# KiCad board vme-wren.kicad_pcb (continued)
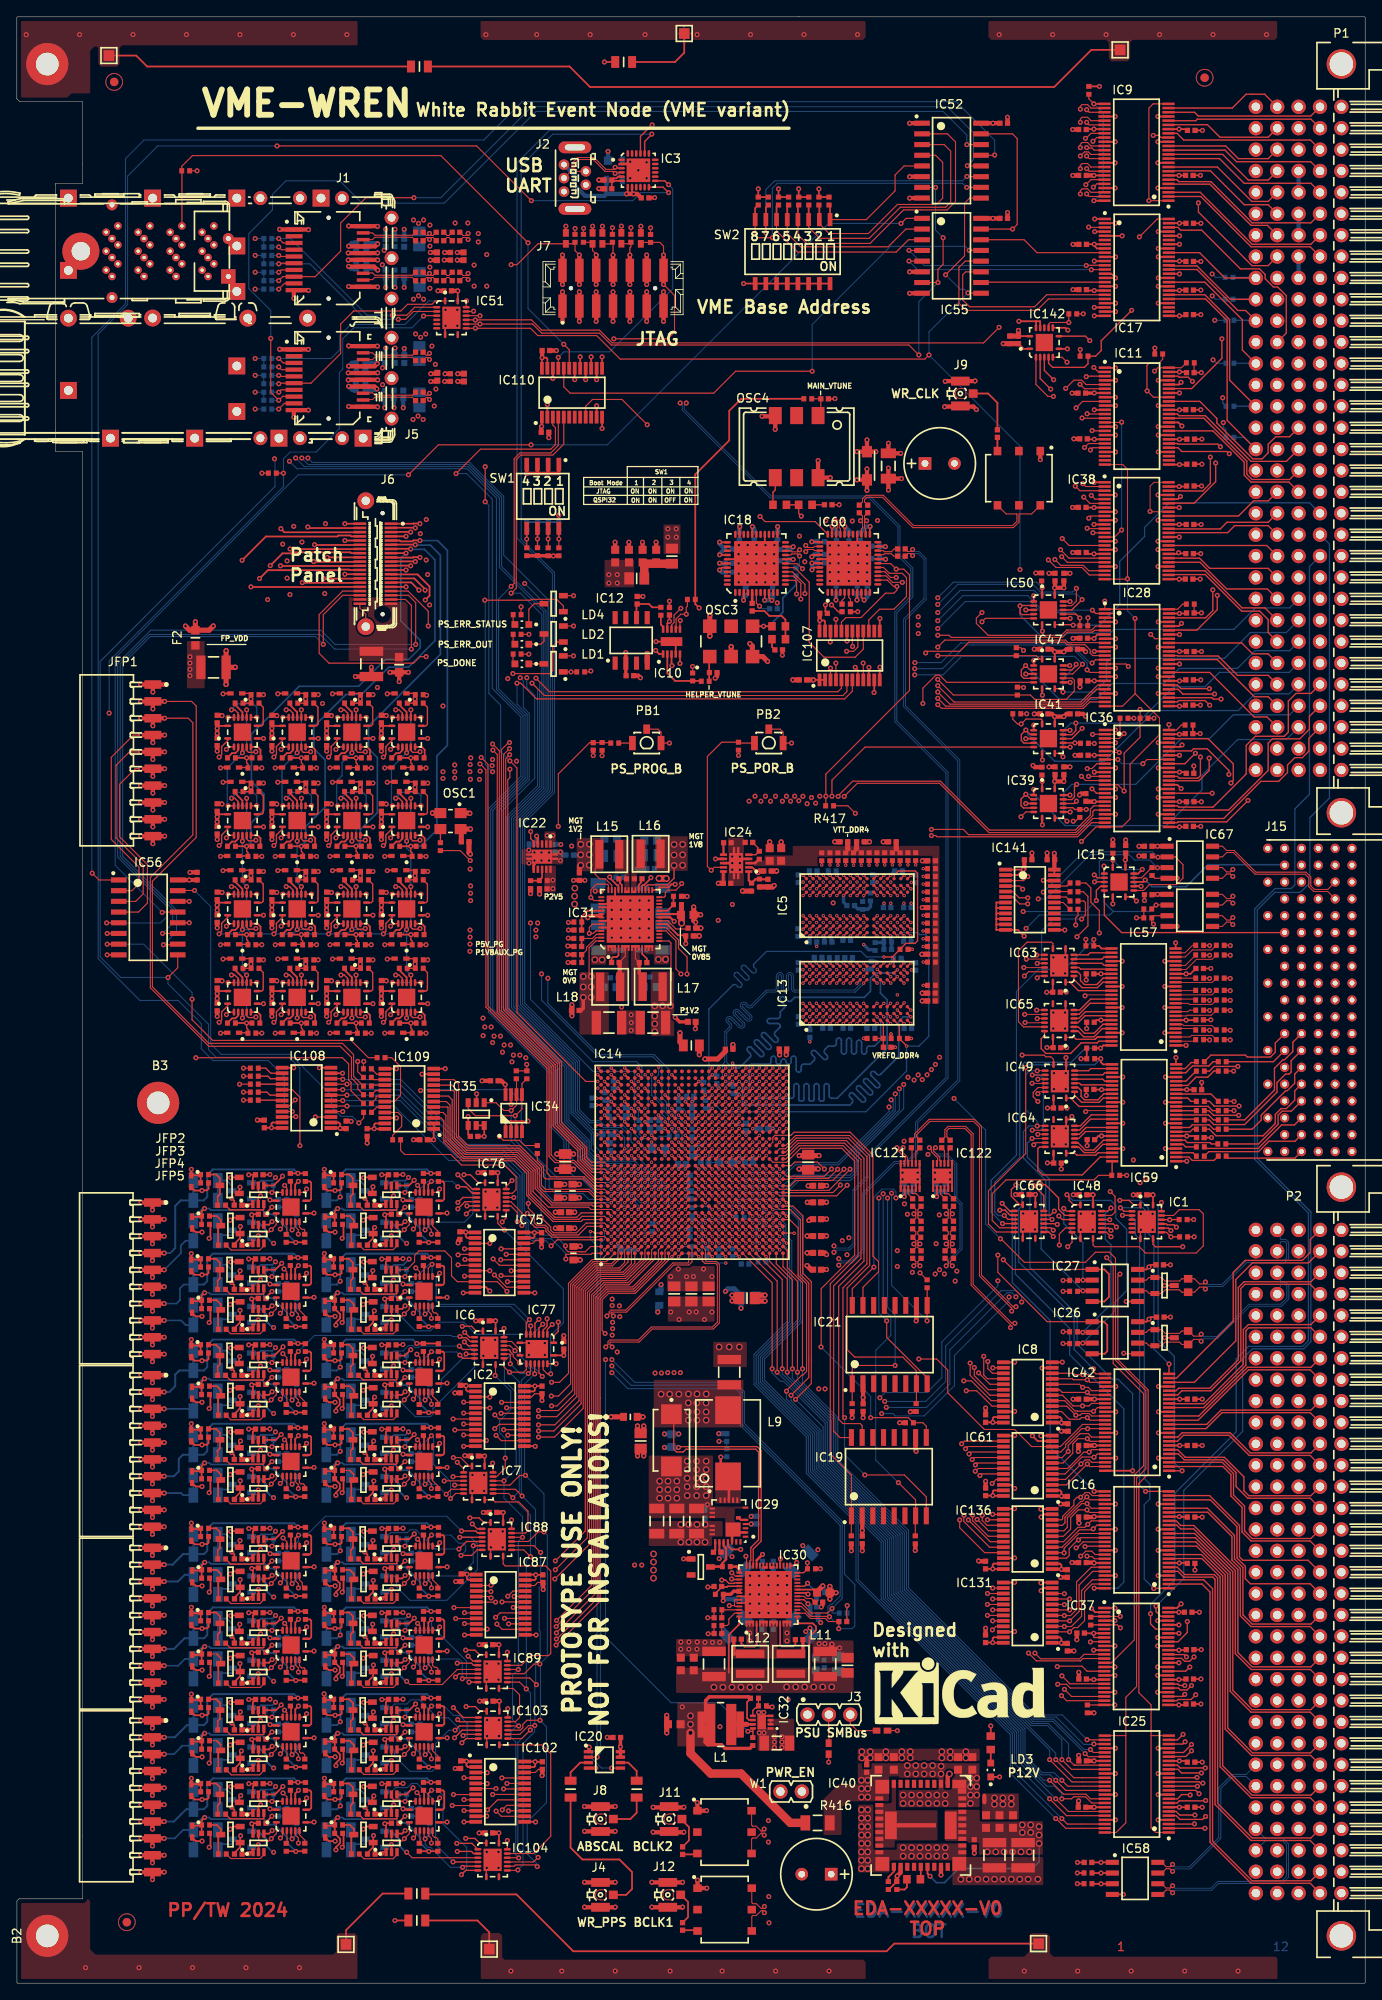
[diagram p0: board, top side]
## Routing (per net, layer and track width the routed paths; a pad name or vN(x,y) marks a point on that pad's centre or on a via; arc(x,y) is an arc through that point) (continued)
Net-(IC31-BOOT_B): length 1.5
  Top Layer w0.2: C298.2 74.13,131.02 74.13,130.68 73.85,130.41 IC31.33
Net-(IC31-BOOT_C): length 2
  Top Layer w0.2: C299.2 74.82,121.65 74.25,122.22 IC31.11
Net-(IC31-BOOT_D): length 2.3
  Top Layer w0.2: IC31.4 71.45,122.04 71.25,121.84 70.81,121.84 70.63,121.67 C300.2
Net-(IC31-FB__L): length 3
  Top Layer w0.2: R215.1 77.98,128.06 R214.1 77.28,127.34 IC31.24
Net-(IC31-MTP): length 3.5
  Top Layer w0.125: IC31.54 68.86,124.54 68.36,124.04 R217.2
  Top Layer w0.2: R217.2 67.07,124.02 C295.2
Net-(IC31-VDRV): length 4.2
  Top Layer w0.2: IC31.47 67.78,127.34 67.07,126.63 C288.1
Net-(IC32-FB): length 2.4
  Top Layer w0.15: IC32.5 87.41,32.38 87.72,32.69 87.87,32.69 88.08,32.9 R211.2 ; 88.04,33.75 88.06,33.73 88.06,32.92
Net-(IC32-SW): length 2.6
  Top Layer w0.3: IC32.7 86.71,30.74
  Top Layer w0.5: 85.87,30.73 84.84,30.73
  Top Layer w0.6: 86.71,30.73 85.87,30.73
Net-(IC33-A): length 5.2
  Top Layer w0.125: R47.2 41.2,87.09 44.68,87.09 45.14,87.55 IC33.3
Net-(IC40-PH-Pad10): length 1.2
  Top Layer w0.2: IC40.42 104.98,18.74
Net-(IC40-RT/CLK): length 2
  Top Layer w0.2: IC40.22 104.15,13.24 103.5,12.59 R100.2
Net-(IC40-VADJ): length 1.5
  Top Layer w0.2: IC40.26 107.35,12.39 R181.2
Net-(IC43-A): length 5.5
  Top Layer w0.15: IC43.3 45.13,91.88 45.05,91.8 43.3,91.8 43.25,91.76 41.19,91.76 R45.2
Net-(IC44-1Y): length 1.5
  Top Layer w0.1: IC44.3 32.06,88.97 R50.1
Net-(IC44-2Y): length 1.9
  Top Layer w0.125: R123.1 34.19,89.43 34.12,89.51 33.83,89.51 33.56,89.78 IC44.6
Net-(IC44-3Y): length 3.4
  Top Layer w0.2: IC44.8 34.76,92.9 34.95,93.09 34.95,95.04 34.81,95.19 R129.1
Net-(IC44-4Y): length 1.3
  Top Layer w0.2: IC44.11 32.56,95.13 R130.1
Net-(IC45-A): length 5.2
  Top Layer w0.125: R139.2 25.45,87.04 28.83,87.04 29.34,87.55 IC45.3
Net-(IC46-A): length 5.4
  Top Layer w0.15: IC46.3 29.33,91.88 29.25,91.81 25.34,91.81 R138.2
Net-(IC48-SER): length 149
  Top Layer w0.125: IC48.14 130.03,91.16 130.43,91.56 130.43,93.42 v2(129.85,93.99) ; R456.2 26.46,106.74 v2(26.45,106.73)
  L3 w0.125: v2(129.85,93.99) 128.75,92.89 123.55,92.89 121.56,90.9 120.16,90.9 116.02,86.75 116.02,83.88 v2(116.5,83.39)
  L5 w0.125: v2(26.45,106.73) 27.47,106.73 28.01,106.19 28.01,102.35 32.17,98.19 53.36,98.19 54.26,97.29 54.26,95.49 55.16,94.59 55.16,91.48 67.21,79.43 67.21,74.99 70.86,71.34 83.56,71.34 86.69,68.21 95.65,68.21 96.33,68.89 101.87,68.89 v2(102.49,69.51)
  Bottom Layer w0.125: v2(102.49,69.51) 103.12,70.14 108.1,70.14 109.85,71.89 109.85,76.14 116.5,82.79 v2(116.5,83.39)
Net-(IC51-SER): length 142.7
  Top Layer w0.125: v2(54.24,198.52) 54.21,198.49 IC51.14 ; R463.2 39.69,105.93 39.69,106.94 39.41,107.23 39.41,109.14 38.67,109.88 v2(21.26,109.88)
  L10 w0.125: v2(21.26,109.88) 21.3,109.91 21.3,118.71 12.76,127.25 12.76,165.92 24.8,177.95 24.8,182.13 28.76,186.1 31.06,186.1 38.49,193.53 38.49,194.6 42.46,198.57 49.8,198.57 50.16,198.2 53.92,198.2 v2(54.24,198.52)
Net-(IC52-QH): length 201.3
  Top Layer w0.125: v2(8.95,131.79) 9.76,130.98 IC56.1 ; IC52.13 116.09,217.03 v2(116.13,217.06)
  Bottom Layer w0.125: v2(8.95,131.79) 8.9,131.84 8.9,195.4 12.9,199.4 12.9,216.64 15.1,218.84 55.45,218.84 60,223.39 111.55,223.39 116.13,218.81 v2(116.13,217.06)
Net-(IC53-1Y): length 1.5
  Top Layer w0.1: 32.06,78.97 R142.1
  Top Layer w0.125: IC53.3 32.06,78.97
Net-(IC53-2Y): length 1.7
  Top Layer w0.125: R143.1 34.19,79.27 33.56,79.91 IC53.6
Net-(IC53-3Y): length 3.4
  Top Layer w0.2: IC53.8 34.76,82.9 34.95,83.09 34.95,85.04 34.81,85.19 R144.1
Net-(IC53-4Y): length 1.3
  Top Layer w0.2: IC53.11 32.56,85.13 R145.1
Net-(IC54-A): length 5.2
  Top Layer w0.125: R153.2 25.38,77.11 28.9,77.11 29.34,77.55 IC54.3
Net-(IC55-SER): length 151.8
  Top Layer w0.125: v2(17.26,127.14) 17.3,127.17 IC56.13 ; v2(46.51,179.09) 50.06,182.65 v2(61.07,182.65) ; v2(105,208.94) 105.6,209.54 IC55.1
  Bottom Layer w0.125: v2(46.51,179.09) 33.42,179.09 11.68,157.35 11.68,132.71 v2(17.26,127.14) ; v2(105,208.94) 96.4,208.94 70.11,182.65 v2(61.07,182.65)
Net-(IC59-1B1): length 5.4
  Top Layer w0.15: R241.1 142.18,97.68 139.6,97.68 139.19,98.09 IC59.2
Net-(IC59-1B2): length 2.6
  Top Layer w0.15: R242.1 139.69,98.59 IC59.3
Net-(IC59-1B3): length 2.5
  Top Layer w0.15: IC59.5 138.5,99.59 138.8,99.29 R243.1
Net-(IC59-1B4): length 5.1
  Top Layer w0.15: IC59.6 138.73,100.09 139.02,99.8 141.71,99.8 141.87,99.64 R244.1
Net-(IC59-1B5): length 2.5
  Top Layer w0.15: R245.1 139.66,101.39 139.35,101.09 IC59.8
Net-(IC59-1B6): length 5.3
  Top Layer w0.15: IC59.9 139.28,101.59 139.6,101.9 141.61,101.9 142.12,101.39 R246.1
Net-(IC59-1B7): length 2.4
  Top Layer w0.15: R247.1 139.99,102.59 IC59.11
Net-(IC59-1B8): length 5.3
  Top Layer w0.15: IC59.12 137.69,103.08 141.51,103.08 142.1,102.49 R248.1
Net-(IC59-2B1): length 2.4
  Top Layer w0.15: R116.1 140.08,103.59 IC59.13
Net-(IC59-2B2): length 5.2
  Top Layer w0.15: R249.1 142,103.59 141.49,104.1 137.69,104.1 IC59.14
Net-(IC59-2B3): length 2.6
  Top Layer w0.15: IC59.16 139.06,105.09 139.45,104.69 R250.1
Net-(IC59-2B4): length 5.4
  Top Layer w0.15: R252.1 141.82,105.57 137.7,105.57 IC59.17
Net-(IC59-2B5): length 5.6
  Top Layer w0.15: 142.61,108.3 142.16,108.3 141.43,107.57 140.03,107.57 139.06,106.59 IC59.19
Net-(IC59-2B6): length 2.8
  Top Layer w0.15: 140.03,108.29 138.84,107.09 IC59.20
Net-(IC59-2B7): length 5.5
  Top Layer w0.15: IC59.22 138.81,108.09 139.62,108.9 141.56,108.9 142.07,109.41 142.63,109.41
Net-(IC59-2B8): length 2.6
  Top Layer w0.15: 140.01,109.31 139.47,109.31 138.75,108.59 137.68,108.59 IC59.23
Net-(IC60-XA): length 1.5
  Top Layer w0.125: C59.2 98,164.19 98.3,164.49 IC60.5
Net-(IC60-XB): length 1.5
  Top Layer w0.125: IC60.6 98.8,164.54 99,164.34 C65.2
Net-(IC62-1Y): length 2.1
  Top Layer w0.2: R93.1 44.52,114.01 45.06,114.55 45.45,114.55 45.79,114.89 IC62.3
Net-(IC62-2Y): length 2.3
  Top Layer w0.2: R164.1 48.43,114.07 48.43,114.95 48.09,115.29 IC62.6
Net-(IC62-3Y): length 3.5
  Top Layer w0.15: R281.1 48.76,119.99 48.76,117.96 48.59,117.79 IC62.8
Net-(IC62-4Y): length 2.1
  Top Layer w0.2: R295.1 45.42,120.29 46.29,119.42 IC62.11
Net-(IC68-A): length 5.4
  Top Layer w0.15: IC68.3 29.33,81.88 29.26,81.82 25.33,81.82 R152.2
Net-(IC69-1Y): length 1.5
  Top Layer w0.1: R156.1 47.86,78.97 IC69.3
Net-(IC69-2Y): length 1.9
  Top Layer w0.125: IC69.6 49.36,79.77 49.54,79.58 49.78,79.58 49.99,79.37 R157.1
Net-(IC69-3Y): length 3.4
  Top Layer w0.2: IC69.8 50.56,82.9 50.75,83.09 50.75,85.04 50.61,85.19 R158.1
Net-(IC69-4Y): length 1.3
  Top Layer w0.2: R159.1 48.36,85.13 IC69.11
Net-(IC70-A): length 5.2
  Top Layer w0.125: IC70.3 45.14,77.55 44.69,77.1 41.19,77.1 R176.2
Net-(IC71-A): length 5.4
  Top Layer w0.15: IC71.3 45.13,81.88 45.07,81.83 41.12,81.83 R175.2
Net-(IC72-1Y): length 1.5
  Top Layer w0.1: R179.1 47.86,58.77 IC72.3
Net-(IC72-2Y): length 1.7
  Top Layer w0.125: IC72.6 49.36,59.69 49.99,59.05 R180.1
Net-(IC72-3Y): length 3.4
  Top Layer w0.2: IC72.8 50.56,62.7 50.75,62.89 50.75,64.84 50.61,64.99 R182.1
Net-(IC72-4Y): length 1.3
  Top Layer w0.2: IC72.11 48.36,64.93 R183.1
Net-(IC73-A): length 5.2
  Top Layer w0.125: IC73.3 45.14,57.35 44.71,56.92 41.17,56.92 R272.2
Net-(IC74-A): length 5.4
  Top Layer w0.15: IC74.3 45.13,61.68 45.06,61.62 41.13,61.62 R271.2
Net-(IC76-QH'): length 24.4
  Top Layer w0.125: IC76.9 57.11,90.22 v2(57.9,89.43) ; IC77.14 62.5,72.84 63,72.34 v2(63.4,72.34)
  Bottom Layer w0.125: v2(63.4,72.34) 63.4,76.9 64.9,78.4 64.9,82.43 v2(57.9,89.43)
Net-(IC78-1Y): length 1.5
  Top Layer w0.1: R275.1 32.06,68.77 IC78.3
Net-(IC78-2Y): length 1.7
  Top Layer w0.125: IC78.6 33.56,69.69 34.19,69.05 R276.1
Net-(IC78-3Y): length 3.4
  Top Layer w0.2: IC78.8 34.76,72.7 34.95,72.89 34.95,74.84 34.81,74.99 R277.1
Net-(IC78-4Y): length 1.3
  Top Layer w0.2: R278.1 32.56,74.93 IC78.11
Net-(IC79-A): length 5.2
  Top Layer w0.125: IC79.3 29.34,67.35 28.88,66.89 25.4,66.89 R286.2
Net-(IC80-A): length 5.4
  Top Layer w0.15: R285.2 25.33,71.62 29.26,71.62 29.33,71.68 IC80.3
Net-(IC81-1Y): length 1.5
  Top Layer w0.1: R289.1 47.86,68.77 IC81.3
Net-(IC81-2Y): length 1.7
  Top Layer w0.125: R290.1 49.99,69.09 49.36,69.73 IC81.6
Net-(IC81-3Y): length 3.4
  Top Layer w0.2: IC81.8 50.56,72.7 50.75,72.89 50.75,74.84 50.61,74.99 R291.1
Net-(IC81-4Y): length 1.3
  Top Layer w0.2: R292.1 48.36,74.93 IC81.11
Net-(IC82-A): length 5.2
  Top Layer w0.125: IC82.3 45.14,67.35 44.7,66.91 41.18,66.91 R300.2
Net-(IC83-A): length 5.4
  Top Layer w0.15: R299.2 41.12,71.63 45.07,71.63 45.13,71.68 IC83.3
Net-(IC84-1Y): length 1.5
  Top Layer w0.1: IC84.3 32.06,58.77 R303.1
Net-(IC84-2Y): length 1.9
  Top Layer w0.125: IC84.6 33.56,59.44 33.71,59.28 34.03,59.28 34.19,59.12 R304.1
Net-(IC84-3Y): length 3.4
  Top Layer w0.2: IC84.8 34.76,62.7 34.95,62.89 34.95,64.84 34.81,64.99 R305.1
Net-(IC84-4Y): length 1.3
  Top Layer w0.2: IC84.11 32.56,64.93 R306.1
Net-(IC85-A): length 5.2
  Top Layer w0.125: R314.2 25.37,56.92 28.91,56.92 29.34,57.35 IC85.3
Net-(IC86-A): length 5.4
  Top Layer w0.15: IC86.3 29.33,61.68 29.26,61.62 25.33,61.62 R313.2
Net-(IC88-QH'): length 22.4
  Top Layer w0.125: IC89.14 59.91,37.74 61.05,38.89 63.15,38.89 63.4,39.14 63.4,48.94 62.8,49.54 58,49.54 57.75,49.79 IC88.9
Net-(IC90-1Y): length 1.5
  Top Layer w0.1: R317.1 47.87,46.97 IC90.3
Net-(IC90-2Y): length 1.7
  Top Layer w0.125: IC90.6 49.37,47.91 50,47.28 R318.1
Net-(IC90-3Y): length 3.4
  Top Layer w0.2: R319.1 50.61,53.18 50.76,53.04 50.76,51.09 50.57,50.89 IC90.8
Net-(IC90-4Y): length 1.3
  Top Layer w0.2: IC90.11 48.37,53.13 R320.1
Net-(IC91-A): length 5.2
  Top Layer w0.125: 45.15,45.85 45.15,45.54 44.72,45.12 41.18,45.12 R328.2
Net-(IC92-A): length 5.4
  Top Layer w0.15: R327.2 41.14,49.82 45.07,49.82 45.13,49.88 IC92.3
Net-(IC93-1Y): length 1.5
  Top Layer w0.1: R331.1 32.07,36.97 IC93.3
Net-(IC93-2Y): length 1.9
  Top Layer w0.125: IC93.6 33.57,37.68 33.8,37.44 34.1,37.44 34.2,37.35 R332.1
Net-(IC93-3Y): length 3.4
  Top Layer w0.2: R333.1 34.81,43.18 34.96,43.04 34.96,41.09 34.77,40.89 IC93.8
Net-(IC93-4Y): length 1.3
  Top Layer w0.2: IC93.11 32.57,43.13 R334.1
Net-(IC94-A): length 5.2
  Top Layer w0.125: 29.35,35.85 29.35,35.54 28.91,35.11 25.39,35.11 R342.2
Net-(IC95-A): length 5.4
  Top Layer w0.15: IC95.3 29.33,39.88 29.27,39.82 25.34,39.82 R341.2
Net-(IC96-1Y): length 1.5
  Top Layer w0.1: R345.1 32.07,46.97 IC96.3
Net-(IC96-2Y): length 1.7
  Top Layer w0.125: IC96.6 33.57,47.88 33.9,47.54 33.9,47.2 R346.1
Net-(IC96-3Y): length 3.4
  Top Layer w0.2: IC96.8 34.77,50.89 34.96,51.09 34.96,53.04 34.81,53.18 R347.1
Net-(IC96-4Y): length 1.3
  Top Layer w0.2: R348.1 32.57,53.13 IC96.11
Net-(IC97-A): length 5.2
  Top Layer w0.125: R356.2 25.43,45.07 28.87,45.07 29.35,45.54 29.35,45.85
Net-(IC98-A): length 5.5
  Top Layer w0.15: R355.2 25.4,49.76 27.9,49.76 27.95,49.8 29.25,49.8 29.33,49.88 IC98.3
Net-(IC99-1Y): length 1.5
  Top Layer w0.1: R359.1 47.87,36.97 IC99.3
Net-(IC99-2Y): length 1.9
  Top Layer w0.125: R360.1 50,37.35 49.84,37.5 49.61,37.5 49.37,37.75 IC99.6
Net-(IC99-3Y): length 3.4
  Top Layer w0.2: R361.1 50.61,43.18 50.76,43.04 50.76,41.09 50.57,40.89 IC99.8
Net-(IC99-4Y): length 1.3
  Top Layer w0.2: R362.1 48.37,43.13 IC99.11
Net-(IC100-A): length 5.2
  Top Layer w0.125: R370.2 41.18,35.12 44.72,35.12 45.15,35.54 45.15,35.85
Net-(IC101-A): length 5.4
  Top Layer w0.15: IC101.3 45.13,39.88 45.07,39.82 41.14,39.82 R369.2
Net-(IC103-QH'): length 22.3
  Top Layer w0.125: IC103.9 62.35,28.29 63.4,27.24 63.4,17.44 61.35,15.39 IC104.14
Net-(IC105-1Y): length 1.5
  Top Layer w0.1: R373.1 32.07,26.67 IC105.3
Net-(IC105-2Y): length 1.9
  Top Layer w0.125: R374.1 34.2,27.12 33.99,27.33 33.72,27.33 33.57,27.48 IC105.6
Net-(IC105-3Y): length 3.4
  Top Layer w0.2: IC105.8 34.77,30.59 34.96,30.79 34.96,32.74 34.81,32.88 R375.1
Net-(IC105-4Y): length 1.3
  Top Layer w0.2: R376.1 32.57,32.83 IC105.11
Net-(IC106-A): length 5.2
  Top Layer w0.125: 29.35,25.55 29.35,25.24 28.83,24.73 25.47,24.73 R384.2
Net-(IC109-B5): length 1.8
  Top Layer w0.125: IC109.17 42.6,105.98 R451.1
Net-(IC109-B6): length 1.6
  Top Layer w0.125: IC109.16 42.22,106.63 R453.1
Net-(IC109-B7): length 1.7
  Top Layer w0.125: IC109.15 42.37,107.28 R187.1
Net-(IC109-B8): length 1.9
  Top Layer w0.125: IC109.14 42.74,107.93 R188.1
Net-(IC111-A): length 5.4
  Top Layer w0.15: IC111.3 29.33,29.58 29.27,29.52 25.34,29.52 R383.2
Net-(IC112-1Y): length 1.5
  Top Layer w0.1: IC112.3 32.07,16.67 R404.1
Net-(IC112-2Y): length 1.7
  Top Layer w0.125: R405.1 34.2,16.99 33.57,17.62 IC112.6
Net-(IC112-3Y): length 3.4
  Top Layer w0.2: IC112.8 34.77,20.59 34.96,20.79 34.96,22.74 34.81,22.88 R406.1
Net-(IC112-4Y): length 1.3
  Top Layer w0.2: IC112.11 32.57,22.83 R407.1
Net-(IC113-A): length 5.2
  Top Layer w0.125: R415.2 25.4,14.8 28.9,14.8 29.35,15.24 29.35,15.55
Net-(IC114-A): length 5.4
  Top Layer w0.15: R414.2 25.35,19.51 29.26,19.51 29.33,19.58 IC114.3
Net-(IC115-1Y): length 1.5
  Top Layer w0.1: IC115.3 47.87,16.67 R418.1
Net-(IC115-2Y): length 1.9
  Top Layer w0.125: IC115.6 49.37,17.54 49.59,17.31 49.81,17.31 50,17.13 R419.1
Net-(IC115-3Y): length 3.4
  Top Layer w0.2: IC115.8 50.57,20.59 50.76,20.79 50.76,22.74 50.61,22.88 R420.1
Net-(IC115-4Y): length 1.3
  Top Layer w0.2: IC115.11 48.37,22.83 R421.1
Net-(IC116-A): length 5.2
  Top Layer w0.125: 45.15,15.55 45.15,15.24 44.67,14.77 41.23,14.77 R429.2
Net-(IC117-A): length 5.4
  Top Layer w0.15: IC117.3 45.13,19.58 45.06,19.51 41.15,19.51 R428.2
Net-(IC118-1Y): length 1.5
  Top Layer w0.1: IC118.3 47.87,26.67 R432.1
Net-(IC118-2Y): length 1.7
  Top Layer w0.125: IC118.6 49.37,27.6 50,26.97 R433.1
Net-(IC118-3Y): length 3.4
  Top Layer w0.2: IC118.8 50.57,30.59 50.76,30.79 50.76,32.74 50.61,32.88 R434.1
Net-(IC118-4Y): length 1.3
  Top Layer w0.2: IC118.11 48.37,32.83 R435.1
Net-(IC119-A): length 5.2
  Top Layer w0.125: 45.15,25.55 45.15,25.24 44.69,24.79 41.21,24.79 R443.2
Net-(IC120-A): length 5.4
  Top Layer w0.15: R442.2 41.15,29.51 45.06,29.51 45.13,29.58 IC120.3
Net-(IC121-IN+): length 1.4
  Top Layer w0.125: IC121.3 105.86,93.69 106.39,93.16
Net-(IC121-IN-): length 1.9
  Top Layer w0.125: 107.39,93.16 106.8,93.75 106.38,93.75 106.31,93.81 IC121.4
Net-(IC121-OUT2+): length 2
  Top Layer w0.125: IC121.8 106.76,98.71 C484.2
Net-(IC121-OUT2-): length 1.9
  Top Layer w0.125: C482.2 106.31,99.11 IC121.9
Net-(IC122-IN+): length 1.4
  Top Layer w0.125: 109.71,94.31 109.71,93.66 C468.1
Net-(IC122-IN-): length 1.9
  Top Layer w0.125: C469.1 110.65,93.72 110.23,93.72 110.16,93.79 110.16,94.31
Net-(IC122-OUT2+): length 1.9
  Top Layer w0.125: C473.2 110.61,98.96 IC122.8
Net-(IC122-OUT2-): length 2
  Top Layer w0.125: C472.2 110.16,98.86 IC122.9
Net-(IC123-1B1): length 2.5
  Top Layer w0.1: R233.1 139.82,111.84 IC123.2
Net-(IC123-1B2): length 5.1
  Top Layer w0.1: R234.1 141.94,112.53 139.51,112.53 139.32,112.34 IC123.3
Net-(IC123-1B3): length 2.5
  Top Layer w0.1: IC123.5 139.83,113.34 R235.1
Net-(IC123-1B4): length 5.1
  Top Layer w0.1: R236.1 141.94,113.68 138.59,113.68 138.43,113.84 IC123.6
Net-(IC123-1B5): length 5.1
  Top Layer w0.1: R237.1 141.85,114.92 138.97,114.92 138.89,114.84 IC123.8
Net-(IC123-1B6): length 2.5
  Top Layer w0.1: R238.1 139.27,115.52 139.09,115.34 IC123.9
Net-(IC123-1B7): length 5.1
  Top Layer w0.1: R239.1 141.94,116.21 139.23,116.21 139.1,116.34 IC123.11
Net-(IC123-1B8): length 2.4
  Top Layer w0.1: IC123.12 139.88,116.84 R240.1
Net-(IC123-2B1): length 5.1
  Top Layer w0.1: IC123.13 141.92,117.34 R221.1
Net-(IC123-2B2): length 2.4
  Top Layer w0.1: IC123.14 139.97,117.84 R224.1
Net-(IC123-2B3): length 5.1
  Top Layer w0.1: IC123.16 137.63,118.81 141.94,118.81 R225.1
Net-(IC123-2B4): length 2.4
  Top Layer w0.1: IC123.17 137.62,119.32 R228.1
Net-(IC123-2B5): length 5.6
  Top Layer w0.1: IC123.19 138.87,120.34 140.09,121.56 141.94,121.56 R229.1
Net-(IC123-2B6): length 2.9
  Top Layer w0.1: R230.1 138.77,120.84 IC123.20
Net-(IC123-2B7): length 5.4
  Top Layer w0.1: IC123.22 138.77,121.84 139.6,122.67 141.9,122.67 R231.1
Net-(IC123-2B8): length 2.8
  Top Layer w0.1: R232.1 139.62,123.22 138.74,122.34 IC123.23
Net-(IC124-1Y): length 2.1
  Top Layer w0.2: IC124.3 39.29,114.89 38.95,114.55 38.56,114.55 38.02,114.01 R337.1
Net-(IC124-2Y): length 2.3
  Top Layer w0.2: IC124.6 41.59,115.29 41.93,114.95 41.93,114.07 R351.1
Net-(IC124-3Y): length 3.5
  Top Layer w0.15: IC124.8 42.09,117.79 42.26,117.96 42.26,119.99 R365.1
Net-(IC124-4Y): length 2.1
  Top Layer w0.2: IC124.11 39.79,119.42 38.92,120.29 R379.1
Net-(IC125-1Y): length 2.1
  Top Layer w0.2: IC125.3 32.79,114.89 32.45,114.55 32.06,114.55 31.52,114.01 R438.1
Net-(IC125-2Y): length 2.3
  Top Layer w0.2: IC125.6 35.09,115.29 35.43,114.95 35.43,114.07 R448.1
Net-(IC125-3Y): length 3.5
  Top Layer w0.15: R508.1 35.76,119.99 35.76,117.96 35.59,117.79 IC125.8
Net-(IC125-4Y): length 2.1
  Top Layer w0.2: IC125.11 33.29,119.42 32.42,120.29 R509.1
Net-(IC126-1Y): length 2.1
  Top Layer w0.2: R512.1 25.02,114.01 25.56,114.55 25.95,114.55 26.29,114.89 IC126.3
Net-(IC126-2Y): length 2.3
  Top Layer w0.2: IC126.6 28.59,115.29 28.93,114.95 28.93,114.07 R513.1
Net-(IC126-3Y): length 3.5
  Top Layer w0.15: R514.1 29.26,119.99 29.26,117.96 29.09,117.79 IC126.8
Net-(IC126-4Y): length 2.1
  Top Layer w0.2: IC126.11 26.79,119.42 25.92,120.29 R515.1
Net-(IC127-1Y): length 2.1
  Top Layer w0.2: R218.1 38.02,135.01 38.56,135.55 38.95,135.55 39.29,135.89 IC127.3
Net-(IC127-2Y): length 2.3
  Top Layer w0.2: IC127.6 41.59,136.29 41.93,135.94 41.93,135.06 R219.1
Net-(IC127-3Y): length 3.5
  Top Layer w0.15: IC127.8 42.09,138.79 42.26,138.96 42.26,140.99 R220.1
Net-(IC127-4Y): length 2.1
  Top Layer w0.2: IC127.11 39.79,140.41 38.92,141.28 R261.1
Net-(IC128-1Y): length 2.1
  Top Layer w0.2: IC128.3 32.79,135.89 32.45,135.55 32.06,135.55 31.52,135.01 R518.1
Net-(IC128-2Y): length 2.3
  Top Layer w0.2: IC128.6 35.09,136.29 35.43,135.94 35.43,135.06 R519.1
Net-(IC128-3Y): length 3.5
  Top Layer w0.15: IC128.8 35.59,138.79 35.76,138.96 35.76,140.99 R520.1
Net-(IC128-4Y): length 2.1
  Top Layer w0.2: IC128.11 33.29,140.41 32.42,141.28 R521.1
Net-(IC129-1Y): length 2.1
  Top Layer w0.2: R524.1 25.02,135.01 25.56,135.55 25.95,135.55 26.29,135.89 IC129.3
Net-(IC129-2Y): length 2.3
  Top Layer w0.2: R525.1 28.93,135.06 28.93,135.94 28.59,136.29 IC129.6
Net-(IC129-3Y): length 3.5
  Top Layer w0.15: IC129.8 29.09,138.79 29.26,138.96 29.26,140.99 R526.1
Net-(IC129-4Y): length 2.1
  Top Layer w0.2: IC129.11 26.79,140.41 25.92,141.28 R527.1
Net-(IC130-1Y): length 2.1
  Top Layer w0.2: R530.1 44.52,135.01 45.06,135.55 45.45,135.55 45.79,135.89 IC130.3
Net-(IC130-2Y): length 2.3
  Top Layer w0.2: IC130.6 48.09,136.29 48.43,135.94 48.43,135.06 R531.1
Net-(IC130-3Y): length 3.5
  Top Layer w0.15: IC130.8 48.59,138.79 48.76,138.96 48.76,140.99 R532.1
Net-(IC130-4Y): length 2.1
  Top Layer w0.2: IC130.11 46.29,140.41 45.42,141.28 R533.1